# Altium PCB Inverter_540VDC_V2.PcbDoc (part 2 of 3)
Units mm, origin at the board's own origin, x right, y up, seen from the top; angles counter-clockwise.
Board outline 420 x 300 mm, 2 copper layers (Top Layer, Bottom Layer), stack 2.071 mm thick; 422 components, 183 nets, 1036 pads, 944 vias.
Unrouted connection lines stored in the file: 20.
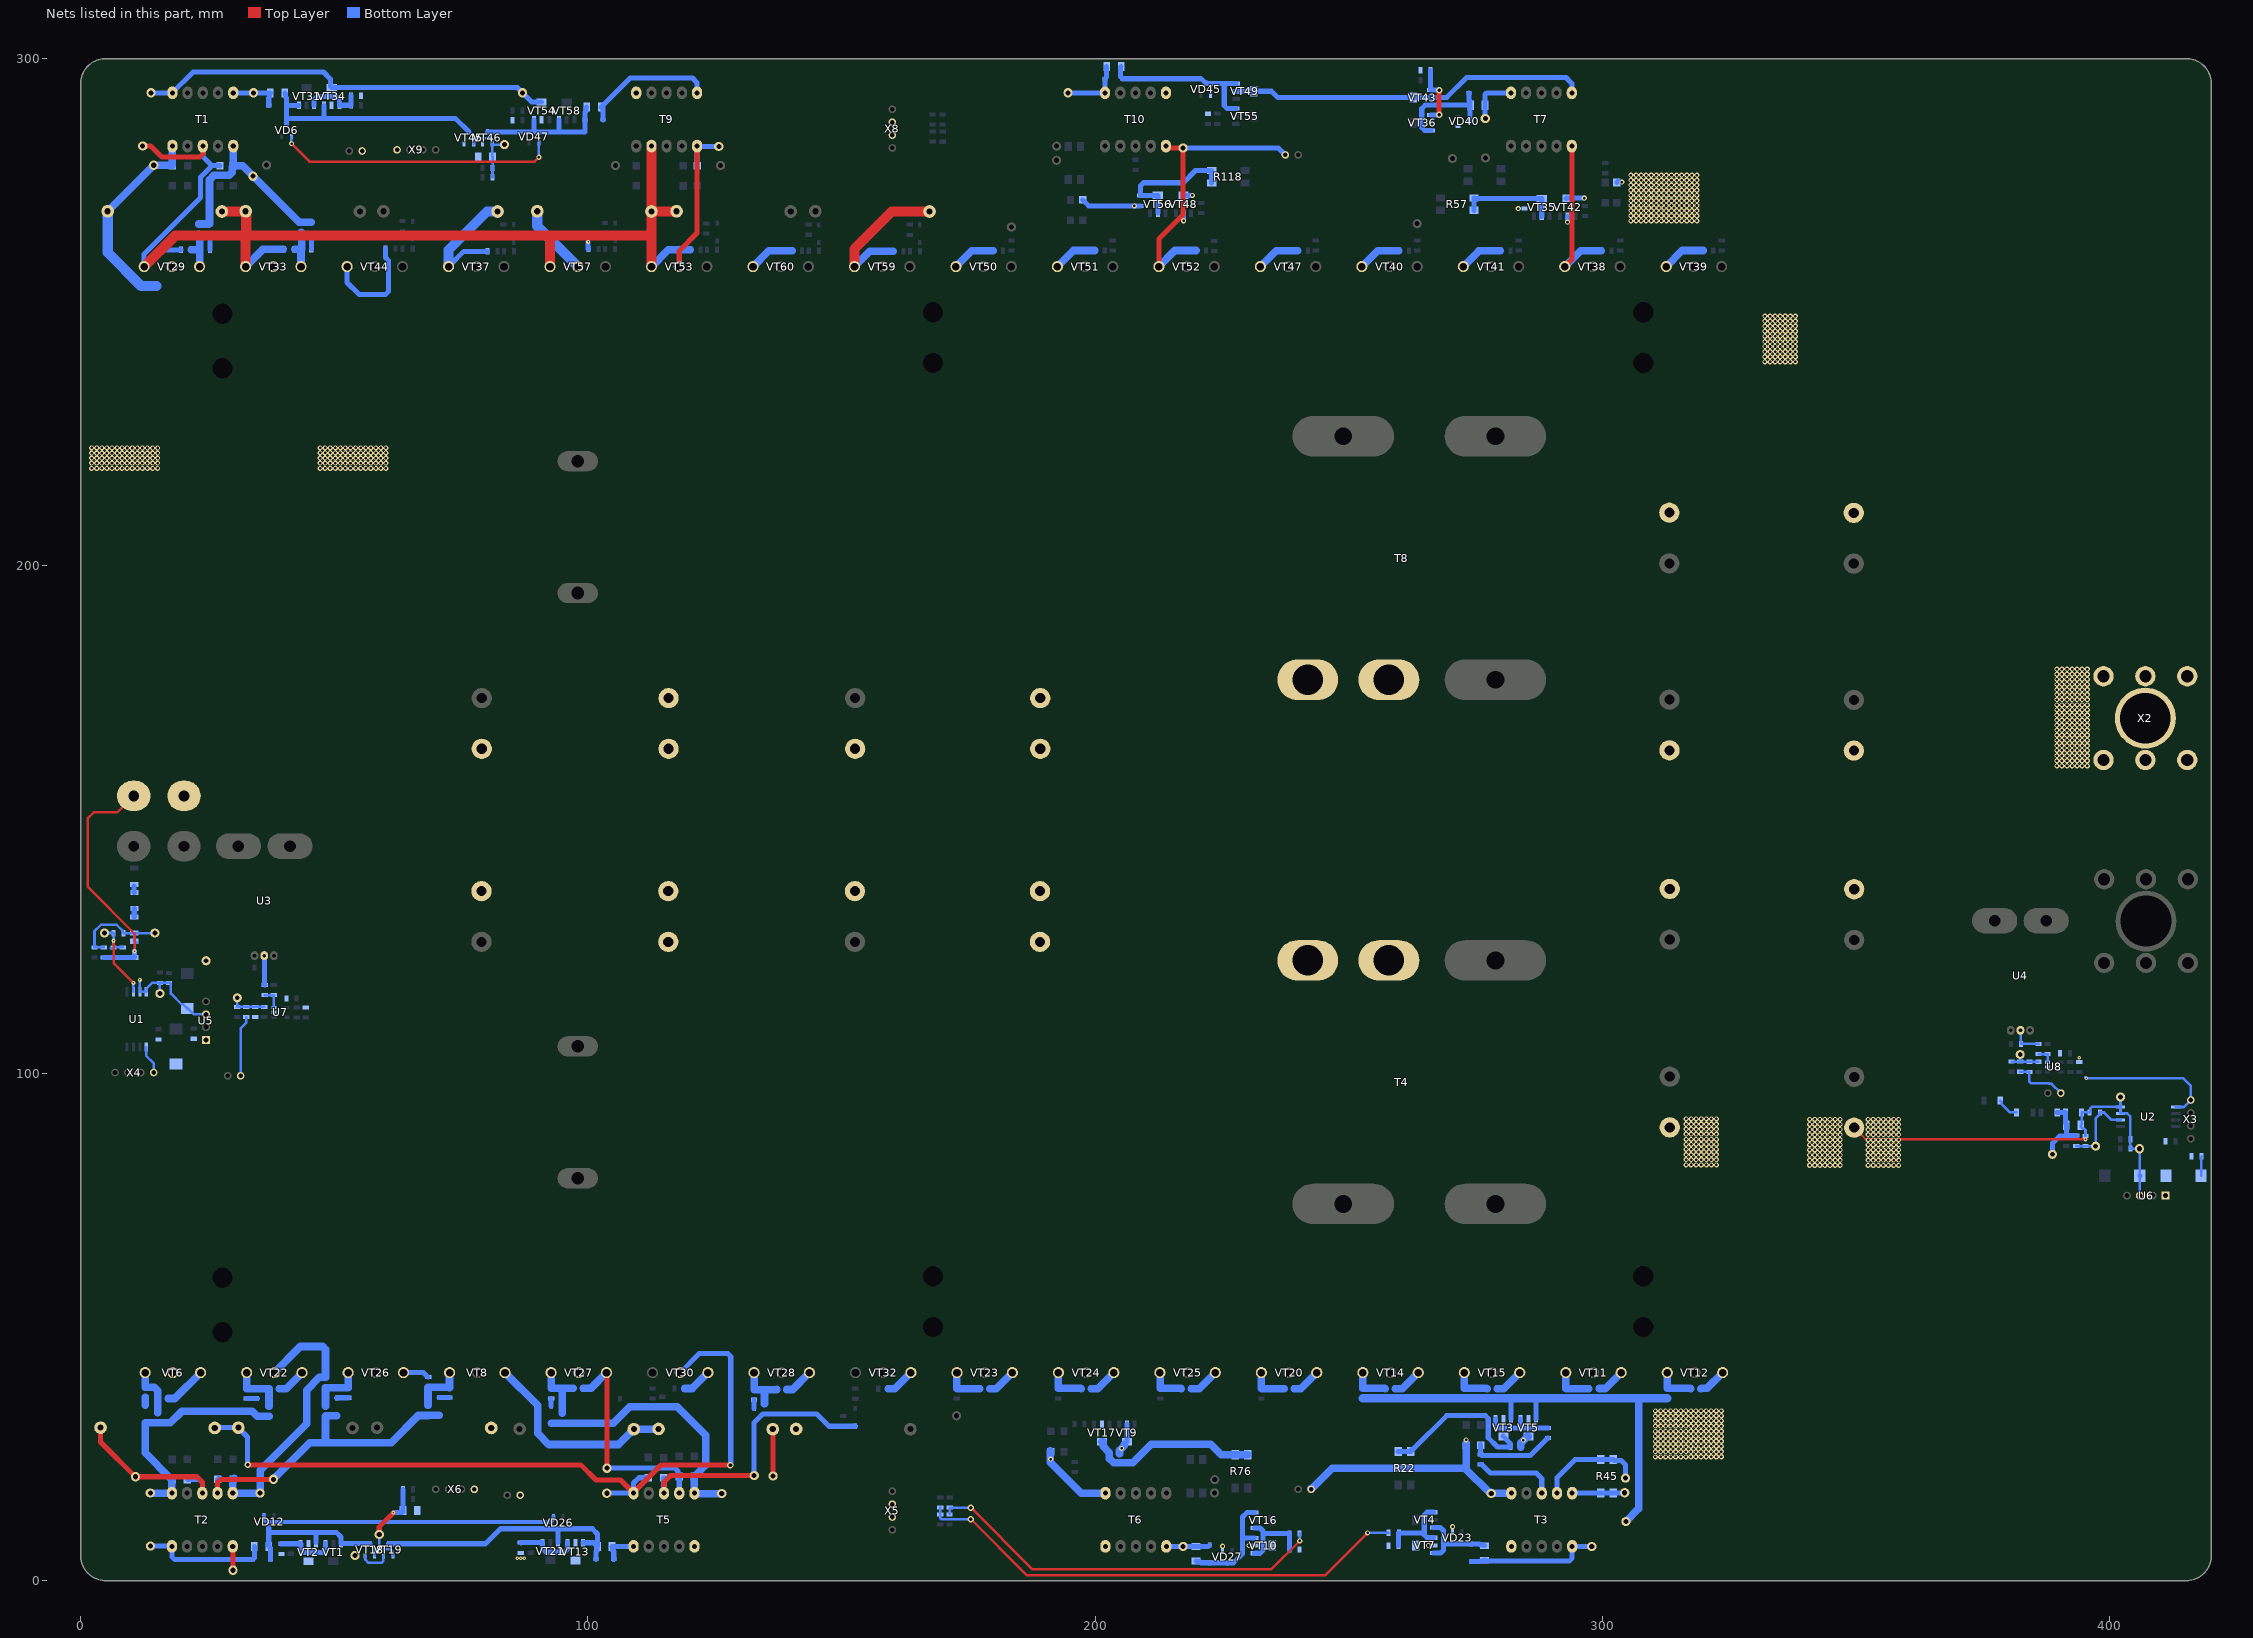
[diagram p2: the nets of this part, all layers, seen from the top]

## Via types
v1: diameter 1, hole 0.5, Top Layer to Bottom Layer, 866 vias
v2: diameter 1.8, hole 1, Top Layer to Bottom Layer, 44 vias
v3: diameter 1.27, hole 0.711, Top Layer to Bottom Layer, 18 vias
v4: diameter 0.8, hole 0.3, Top Layer to Bottom Layer, 10 vias
v5: diameter 0.7, hole 0.3, Top Layer to Bottom Layer, 5 vias
v6: diameter 0.8, hole 0.711, Top Layer to Bottom Layer, 1 vias

## Nets (pads, with @x,y where several pads share a name; then routed paths per layer and width w, separated by ;. In a path a pad name is that pad's centre, name@x,y a point inside that pad or via, vN(x,y) a via of type N, cw(c..) or ccw(c..) an arc to the next point about the centre after c; other vN are vias at no path point) (continued)
BAT_GND: C5.2 C6.2 C7.2 C8.2 C13.1 C21.2 C22.2 C23.2 C24.2 C28.1 C38.1 C40.1 C47.1 C50.2 C56.2 C63.1 C64.1 R46.1 R47.1 R48.1 R49.1 R53.2 R54.2 R55.2 R56.1 R93.1 R94.1 R95.1 R96.1 R99.2 R100.2 R101.2 R102.1 R132.1 R136.1 T3.5 T6.5 T7.5 T10.5 TP6.1 TP18.1 TP24.1 TP46.1 U2.3 U2.4 U6.3 VD22.2 VD24.2 VD42.2 VD44.2 VT5.2 VT9.2 VT11.3 VT12.3 VT14.3 VT15.3 VT20.3 VT23.3 VT24.3 VT25.3 VT38.3 VT39.3 VT40.3 VT41.3 VT42.2 VT47.3 VT48.2 VT50.3 VT51.3 VT52.3 X2.1 X7.2 X10.2 | length 366.7
  Top Layer w0.5: C23.2@349.581,89.284 351.864,87 353.338,87 356.338,87 v4(395.175,87)
  Top Layer w1: VT52.3@212.54,259 212.54,264.465 217.325,269.25 217.325,282.382 217.135,282.572 217.055,282.572 216.866,282.382 214.293,282.382 T10.5@213.925,282.75 ; VT38.3@292.54,259 293.925,260.385 T7.5@293.925,282.75
  Bottom Layer w0.5: v4(395.175,87) R132.1@395.175,87.65 395.175,88.8 394.875,89.1 394.625,89.1 394.225,89.5 C64.1@394.225,89.75 394.4,89.925 R136.1@394.4,92.25 394.425,92.275 C63.1@396,92.275 396.15,92.425 396.15,93.112 396.443,93.405 402.025,93.405 U2.4@402.075,93.355 ; TP18.1@402.075,95.875 TP18.1@402.075,95.322 U2.4@402.075,93.355 ; C56.2@403.875,85.332 C56.2@404.025,85.182 ; C50.2@405.875,79.8 405.875,85.05 v2(405.8,85.125) 405.799,85.126 404.073,85.126 C56.2@404.025,85.175 C56.2@404.025,85.182 ; U6.3@405.88,75.875 C50.2@405.88,79.795 ; U2.4@402.075,93.355 U2.3@402.075,92.085 403.39,92.085 404.025,91.45 C40.1@404.025,87.025 C56.2@404.025,85.182
  Bottom Layer w1: VD44.2@197.525,272.15 197.525,272.125 197.75,271.9 197.775,271.9 198.7,270.975 v1(207.725,270.975) C47.1@208.9,270.975 C47.1@208.879,270.954 ; VT9.2@206.25,27.35 VT9.2@206.25,30.85 ; TP46.1@217.033,282.592 217.425,282.2 TP46.1@217.447,282.222 ; v2(217.325,282.375) 236.085,282.375 X10.2@237.46,281 ; VT48.2@217.375,273.025 v1(219.125,273.025) ; v1(217.403,268.029) VT48.2@217.403,269.497 ; VT42.2@292.825,272.45 292.85,272.475 v1(296.375,272.475) ; v1(293.075,267.75) VT42.2@293.075,268.9 ; VD42.2@302.8,275.575 302.8,275.6 303.025,275.825 VD42.2@303.05,275.825 ; C50.2@405.875,79.8 C50.2@405.88,79.795
  Bottom Layer w1.5: VT50.3@172.54,259 175.665,262.125 R100.2@179.85,262.125 ; R54.2@179.225,37.8 179.251,37.826 180.486,37.826 VT23.3@183.66,41 ; VD24.2@191.125,25.603 191.125,23.375 197.25,17.25 T6.5@202,17.25 ; VT51.3@192.54,259 195.715,262.175 R101.2@199.875,262.175 ; R55.2@199.225,37.8 199.251,37.826 200.486,37.826 VT24.3@203.66,41 ; C38.1@204.775,25 204.775,25.65 v1(205.2,26.075) 205.75,26.625 VT9.2@205.75,26.85 ; VT52.3@212.54,259 215.715,262.175 R102.1@219.85,262.175 ; R56.1@218.95,37.8 220.46,37.8 VT25.3@223.66,41 ; VT47.3@232.54,259 235.69,262.15 R99.2@239.9,262.15 ; R53.2@239.2,37.85 240.51,37.85 VT20.3@243.66,41 ; X7.2@242.444,18.096 X7.2@242.54,18 246.69,22.15 269.725,22.15 ; VT40.3@252.54,259 255.64,262.1 R93.1@259.85,262.1 ; R46.1@259.125,37.8 260.46,37.8 VT14.3@263.66,41 ; 269.725,22.175 272.859,22.175 277.834,17.2 v2(278.05,17.2) ; VT41.3@272.54,259 275.64,262.1 R94.1@279.825,262.1 ; 273.1,22.35 VD22.2@273.1,26.825 ; TP24.1@277.9,17.431 TP24.1@278.05,17.281 ; TP24.1@278.1,17.25 T3.5@282,17.25 ; R47.1@279.2,37.8 279.214,37.814 280.474,37.814 VT15.3@283.66,41 ; C13.1@283.853,26.325 283.853,27.125 285.128,28.4 VT5.2@285.378,28.4 ; VT38.3@292.54,259 295.69,262.15 R95.1@299.75,262.15 ; R48.1@299.3,37.8 299.364,37.864 300.524,37.864 VT11.3@303.66,41 ; VT39.3@312.54,259 315.715,262.175 R96.1@319.8,262.175 ; R49.1@319.4,37.8 319.4,37.814 319.5,37.914 320.574,37.914 VT12.3@323.66,41
  other v1: 191.225,23.938 310.413,24.394 311.413,24.394 312.413,24.394 313.413,24.394 314.413,24.394 315.413,24.394 316.413,24.394 317.388,24.419 318.388,24.419 319.388,24.419 320.388,24.419 321.388,24.419 322.388,24.419 323.388,24.419 310.413,25.419 311.413,25.419 312.413,25.419 313.413,25.419 314.413,25.419 315.413,25.419 316.413,25.419 317.388,25.444 318.388,25.444 319.388,25.444 320.388,25.444 321.388,25.444 322.388,25.444 323.388,25.444 310.413,26.419 311.413,26.419 312.413,26.419 313.413,26.419 314.413,26.419 315.413,26.419 316.413,26.419 317.388,26.444 318.388,26.444 319.388,26.444 320.388,26.444 321.388,26.444 322.388,26.444 323.388,26.444 310.413,27.444 311.413,27.444 312.413,27.444 313.413,27.444 314.413,27.444 315.413,27.444 316.413,27.444 317.388,27.469 318.388,27.469 319.388,27.469 320.388,27.469 321.388,27.469 322.388,27.469 323.388,27.469 284.378,27.709 273.1,27.734 310.413,28.419 311.413,28.419 312.413,28.419 313.413,28.419 314.413,28.419 315.413,28.419 316.413,28.419 317.388,28.444 318.388,28.444 319.388,28.444 320.388,28.444 321.388,28.444 322.388,28.444 323.388,28.444 310.413,29.419 311.413,29.419 312.413,29.419 313.413,29.419 314.413,29.419 315.413,29.419 316.413,29.419 317.388,29.444 318.388,29.444 319.388,29.444 320.388,29.444 321.388,29.444 322.388,29.444 323.388,29.444 310.413,30.444 311.413,30.444 312.413,30.444 313.413,30.444 314.413,30.444 315.413,30.444 316.413,30.444 317.388,30.469 318.388,30.469 319.388,30.469 320.388,30.469 321.388,30.469 322.388,30.469 323.388,30.469 310.413,31.444 311.413,31.444 312.413,31.444 313.413,31.444 314.413,31.444 315.413,31.444 316.413,31.444 317.388,31.469 318.388,31.469 319.388,31.469 320.388,31.469 321.388,31.469 322.388,31.469 323.388,31.469 310.413,32.444 311.413,32.444 312.413,32.444 313.413,32.444 314.413,32.444 315.413,32.444 316.413,32.444 317.388,32.469 318.388,32.469 319.388,32.469 320.388,32.469 321.388,32.469 322.388,32.469 323.388,32.469 310.413,33.444 311.413,33.444 312.413,33.444 313.413,33.444 314.413,33.444 315.413,33.444 316.413,33.444 317.388,33.469 318.388,33.469 319.388,33.469 320.388,33.469 321.388,33.469 322.388,33.469 323.388,33.469 352.338,81.844 353.338,81.844 354.338,81.844 355.338,81.844 356.338,81.844 357.338,81.844 358.338,81.844 340.813,81.869 341.813,81.869 342.813,81.869 343.813,81.869 344.813,81.869 345.813,81.869 346.813,81.869 316.438,81.944 317.438,81.944 318.438,81.944 319.438,81.944 320.438,81.944 321.438,81.944 322.438,81.944 352.338,82.869 353.338,82.869 354.338,82.869 355.338,82.869 356.338,82.869 357.338,82.869 358.338,82.869 340.813,82.894 341.813,82.894 342.813,82.894 343.813,82.894 344.813,82.894 345.813,82.894 346.813,82.894 316.438,82.969 317.438,82.969 318.438,82.969 319.438,82.969 320.438,82.969 321.438,82.969 322.438,82.969 352.338,83.869 353.338,83.869 354.338,83.869 355.338,83.869 356.338,83.869 357.338,83.869 358.338,83.869 340.813,83.894 341.813,83.894 342.813,83.894 343.813,83.894 344.813,83.894 345.813,83.894 346.813,83.894 316.438,83.969 317.438,83.969 318.438,83.969 319.438,83.969 320.438,83.969 321.438,83.969 322.438,83.969 352.338,84.894 353.338,84.894 354.338,84.894 355.338,84.894 356.338,84.894 357.338,84.894 358.338,84.894 340.813,84.919 341.813,84.919 342.813,84.919 343.813,84.919 344.813,84.919 345.813,84.919 346.813,84.919 316.438,84.994 317.438,84.994 318.438,84.994 319.438,84.994 320.438,84.994 321.438,84.994 322.438,84.994 340.813,85.894 341.813,85.894 342.813,85.894 343.813,85.894 344.813,85.894 345.813,85.894 346.813,85.894 352.338,85.869 353.338,85.869 354.338,85.869 355.338,85.869 356.338,85.869 357.338,85.869 358.338,85.869 316.438,85.969 317.438,85.969 318.438,85.969 319.438,85.969 320.438,85.969 321.438,85.969 322.438,85.969 352.338,86.869 353.338,86.869 354.338,86.869 355.338,86.869 356.338,86.869 357.338,86.869 358.338,86.869 340.813,86.894 341.813,86.894 342.813,86.894 343.813,86.894 344.813,86.894 345.813,86.894 346.813,86.894 316.438,86.969 317.438,86.969 318.438,86.969 319.438,86.969 320.438,86.969 321.438,86.969 322.438,86.969 352.338,87.894 353.338,87.894 354.338,87.894 355.338,87.894 356.338,87.894 357.338,87.894 358.338,87.894 340.813,87.919 341.813,87.919 342.813,87.919 343.813,87.919 344.813,87.919 345.813,87.919 346.813,87.919 316.438,87.994 317.438,87.994 318.438,87.994 319.438,87.994 320.438,87.994 321.438,87.994 322.438,87.994 352.338,88.894 353.338,88.894 354.338,88.894 355.338,88.894 356.338,88.894 357.338,88.894 358.338,88.894 340.813,88.919 341.813,88.919 342.813,88.919 343.813,88.919 344.813,88.919 345.813,88.919 346.813,88.919 316.438,88.994 317.438,88.994 318.438,88.994 319.438,88.994 320.438,88.994 321.438,88.994 322.438,88.994 352.338,89.894 353.338,89.894 354.338,89.894 355.338,89.894 356.338,89.894 357.338,89.894 358.338,89.894 340.813,89.919 341.813,89.919 342.813,89.919 343.813,89.919 344.813,89.919 345.813,89.919 346.813,89.919 316.438,89.994 317.438,89.994 318.438,89.994 319.438,89.994 320.438,89.994 321.438,89.994 322.438,89.994 352.338,90.894 353.338,90.894 354.338,90.894 355.338,90.894 356.338,90.894 357.338,90.894 358.338,90.894 340.813,90.919 341.813,90.919 342.813,90.919 343.813,90.919 344.813,90.919 345.813,90.919 346.813,90.919 316.438,90.994 317.438,90.994 318.438,90.994 319.438,90.994 320.438,90.994 321.438,90.994 322.438,90.994 389.525,160.575 390.525,160.575 391.525,160.575 392.525,160.575 393.525,160.575 394.525,160.575 395.525,160.575 389.525,161.6 390.525,161.6 391.525,161.6 392.525,161.6 393.525,161.6 394.525,161.6 395.525,161.6 389.525,162.6 390.525,162.6 391.525,162.6 392.525,162.6 393.525,162.6 394.525,162.6 395.525,162.6 389.525,163.625 390.525,163.625 391.525,163.625 392.525,163.625 393.525,163.625 394.525,163.625 395.525,163.625 389.525,164.6 390.525,164.6 391.525,164.6 392.525,164.6 393.525,164.6 394.525,164.6 395.525,164.6 389.525,165.6 390.525,165.6 391.525,165.6 392.525,165.6 393.525,165.6 394.525,165.6 395.525,165.6 389.525,166.625 390.525,166.625 391.525,166.625 392.525,166.625 393.525,166.625 394.525,166.625 395.525,166.625 389.525,167.625 390.525,167.625 391.525,167.625 392.525,167.625 393.525,167.625 394.525,167.625 395.525,167.625 389.525,168.625 390.525,168.625 391.525,168.625 392.525,168.625 393.525,168.625 394.525,168.625 395.525,168.625 389.525,169.625 390.525,169.625 391.525,169.625 392.525,169.625 393.525,169.625 394.525,169.625 395.525,169.625 389.525,170.6 390.525,170.6 391.525,170.6 392.525,170.6 393.525,170.6 394.525,170.6 395.525,170.6 389.525,171.625 390.525,171.625 391.525,171.625 392.525,171.625 393.525,171.625 394.525,171.625 395.525,171.625 389.525,172.625 390.525,172.625 391.525,172.625 392.525,172.625 393.525,172.625 394.525,172.625 395.525,172.625 389.525,173.65 390.525,173.65 391.525,173.65 392.525,173.65 393.525,173.65 394.525,173.65 395.525,173.65 389.525,174.625 390.525,174.625 391.525,174.625 392.525,174.625 393.525,174.625 394.525,174.625 395.525,174.625 389.525,175.625 390.525,175.625 391.525,175.625 392.525,175.625 393.525,175.625 394.525,175.625 395.525,175.625 389.525,176.65 390.525,176.65 391.525,176.65 392.525,176.65 393.525,176.65 394.525,176.65 395.525,176.65 389.525,177.65 390.525,177.65 391.525,177.65 392.525,177.65 393.525,177.65 394.525,177.65 395.525,177.65 389.525,178.65 390.525,178.65 391.525,178.65 392.525,178.65 393.525,178.65 394.525,178.65 395.525,178.65 389.525,179.65 390.525,179.65 391.525,179.65 392.525,179.65 393.525,179.65 394.525,179.65 395.525,179.65 332,240.2 333,240.2 334,240.2 335,240.2 336,240.2 337,240.2 338,240.2 332,241.225 333,241.225 334,241.225 335,241.225 336,241.225 337,241.225 338,241.225 332,242.225 333,242.225 334,242.225 335,242.225 336,242.225 337,242.225 338,242.225 332,243.25 333,243.25 334,243.25 335,243.25 336,243.25 337,243.25 338,243.25 332,244.225 333,244.225 334,244.225 335,244.225 336,244.225 337,244.225 338,244.225 332,245.225 333,245.225 334,245.225 335,245.225 336,245.225 337,245.225 338,245.225 332,246.25 333,246.25 334,246.25 335,246.25 336,246.25 337,246.25 338,246.25 332,247.25 333,247.25 334,247.25 335,247.25 336,247.25 337,247.25 338,247.25 332,248.25 333,248.25 334,248.25 335,248.25 336,248.25 337,248.25 338,248.25 332,249.25 333,249.25 334,249.25 335,249.25 336,249.25 337,249.25 338,249.25 305.588,267.994 306.588,267.994 307.588,267.994 308.588,267.994 309.588,267.994 310.588,267.994 311.588,267.994 312.576,267.989 313.576,267.989 314.576,267.989 315.576,267.989 316.576,267.989 317.576,267.989 318.576,267.989 305.588,269.019 306.588,269.019 307.588,269.019 308.588,269.019 309.588,269.019 310.588,269.019 311.588,269.019 312.576,269.014 313.576,269.014 314.576,269.014 315.576,269.014 316.576,269.014 317.576,269.014 318.576,269.014 312.576,270.014 313.576,270.014 314.576,270.014 315.576,270.014 316.576,270.014 317.576,270.014 318.576,270.014 305.588,270.019 306.588,270.019 307.588,270.019 308.588,270.019 309.588,270.019 310.588,270.019 311.588,270.019 283.375,270.425 305.588,271.044 306.588,271.044 307.588,271.044 308.588,271.044 309.588,271.044 310.588,271.044 311.588,271.044 312.576,271.039 313.576,271.039 314.576,271.039 315.576,271.039 316.576,271.039 317.576,271.039 318.576,271.039 305.588,272.019 306.588,272.019 307.588,272.019 308.588,272.019 309.588,272.019 310.588,272.019 311.588,272.019 312.576,272.014 313.576,272.014 314.576,272.014 315.576,272.014 316.576,272.014 317.576,272.014 318.576,272.014 312.576,273.014 313.576,273.014 314.576,273.014 315.576,273.014 316.576,273.014 317.576,273.014 318.576,273.014 305.588,273.019 306.588,273.019 307.588,273.019 308.588,273.019 309.588,273.019 310.588,273.019 311.588,273.019 305.588,274.044 306.588,274.044 307.588,274.044 308.588,274.044 309.588,274.044 310.588,274.044 311.588,274.044 312.576,274.039 313.576,274.039 314.576,274.039 315.576,274.039 316.576,274.039 317.576,274.039 318.576,274.039 305.588,275.044 306.588,275.044 307.588,275.044 308.588,275.044 309.588,275.044 310.588,275.044 311.588,275.044 312.576,275.039 313.576,275.039 314.576,275.039 315.576,275.039 316.576,275.039 317.576,275.039 318.576,275.039 303.8,275.634 305.588,276.044 306.588,276.044 307.588,276.044 308.588,276.044 309.588,276.044 310.588,276.044 311.588,276.044 312.576,276.039 313.576,276.039 314.576,276.039 315.576,276.039 316.576,276.039 317.576,276.039 318.576,276.039 305.588,277.044 306.588,277.044 307.588,277.044 308.588,277.044 309.588,277.044 310.588,277.044 311.588,277.044 312.576,277.039 313.576,277.039 314.576,277.039 315.576,277.039 316.576,277.039 317.576,277.039 318.576,277.039
GND: C10.2 C16.2 C31.1 C32.2 C33.2 C43.1 C51.1 C52.2 C53.1 C54.2 C57.1 C58.1 C59.1 C60.1 C65.1 C66.1 R8.1 R9.1 R10.1 R11.1 R16.1 R18.2 R141.1 R142.1 R143.1 R144.1 R145.1 R146.1 T1.10 T2.10 T3.6 T5.10 T6.6 T7.6 T9.10 T10.6 TP22.1 TP23.1 TP44.1 TP45.1 U1.5 U2.5 U3.2 U4.2 U5.1 U6.1 U7.2 U8.2 VD6.1 VD12.1 VD23.1 VD26.1 VD27.1 VD40.1 VD45.1 VD47.1 VT2.2 VT7.2 VT10.2 VT13.2 VT18.2 VT19.2 VT34.2 VT43.2 VT45.2 VT46.2 VT49.2 VT54.2 X3.4 X4.1 X5.2 X5.3 X6.4 X8.2 X8.3 X9.4 X11.2 X12.2 X13.2 X14.2 | length 344.9
  Top Layer w0.5: T2.10@30,6.75 T2.10@30.025,6.725 ; v1(41.6,283.225) 45.125,279.7 89.5,279.7 v1(90.35,280.55)
  Top Layer w1: v2(30.025,2.05) T2.10@30.025,6.725
  Bottom Layer w0.5: U1.5@12.955,105.175 12.955,103.445 14.415,101.985 X4.1@14.415,100.15 ; X11.2@31.54,99.5 31.54,108.865 32.669,109.994 R141.1@32.669,111.075 ; VD6.1@41.55,284.625 41.573,284.602 41.573,283.252 v1(41.6,283.225) ; VT18.2@56.075,4.875 56.125,4.825 56.125,4.125 56.7,3.55 59.382,3.55 59.675,3.843 59.675,4.825 VT19.2@59.725,4.875 ; VD47.1@90.325,283.375 90.325,280.575 v1(90.35,280.55) ; R142.1@382.325,100.3 382.35,100.275 C66.1@384.125,100.275 384.125,98.35 384.45,98.025 387.939,98.025 388.039,97.925 388.49,97.925 X12.2@390.315,96.1 ; U4.2@382.35,108.471 382.45,108.371 C53.1@382.45,105.775 C58.1@385.925,105.775 ; v5@395.15,99.225 v5@395.35,99.225 ; v5(395.35,99.05) 414.35,99.05 415.95,97.45 X3.4@415.95,94.73 414.575,93.355 U2.5@412.975,93.355
  Bottom Layer w0.8: VD12.1@36.2,12.8 36.2,12.069 36.669,11.6 92.756,11.6 93.225,12.069 VD26.1@93.225,12.625
  Bottom Layer w1: v2(13.9,293.25) T1.10@18.1,293.25 22.2,297.35 47.875,297.35 49.289,295.936 49.289,294.486 VT34.2@49.5,294.275 86.075,294.275 88.925,291.425 VT54.2@90.875,291.425 ; U3.2@36.2,123.171 36.275,123.096 C51.1@36.275,120.85 36.275,117.45 C57.1@36.325,117.4 ; VT49.2@227.75,293.554 VT49.2@231.25,293.554 234.746,293.554 235.992,292.308 VT43.2@262.65,292.308 265.4,292.308 265.442,292.35 269.3,292.35 273.2,296.25 292.775,296.25 293.925,295.1 T7.6@293.925,293.25
  other v1: 225.1,6.775 230.3,6.925 265.65,6.925 270.425,10.625
  other v2: 54.125,4.975 87.1,293.25
  other v5: 86.05,4.4 86.725,4.4 87.425,4.4 393.925,103.1
GND_HV: C2.2 C4.2 C9.1 C11.2 C18.2 C20.2 C25.1 C26.2 C35.1 C36.1 C39.2 C41.2 C45.1 C48.2 C55.2 C61.1 C62.1 J2.1 R2.2 R20.2 R23.2 R31.2 R38.2 R66.2 R104.2 R109.2 R131.1 R133.1 T1.3 T2.3 T5.2 T9.2 TP3.1 TP5.1 TP17.1 TP26.1 TP36.1 TP48.1 U1.3 U1.4 U5.3 VD9.2 VD15.2 VD32.2 VD52.2 VT6.3 VT22.3 VT27.3 VT29.3 VT30.3 VT33.3 VT53.3 VT57.3 | length 407.8
  Top Layer w0.5: J2.1@10.488,154.668 7.27,151.45 2.611,151.45 1.4,150.239 1.4,136.775 10.675,127.5 v4(10.675,124.05)
  Top Layer w1: C36.1@3.95,30.15 3.95,27.325 v2(10.8,20.475) 22.95,20.475 24,19.425 T2.3@24,17.25 ; v2(12.25,282.775) 13.825,282.775 16.025,280.575 23.514,280.575 24.1,281.161 T1.3@24.1,282.75 ; VT27.3@103.6,40.94 VT27.3@103.66,41 103.75,40.91 v2(103.75,22.164) ; C9.1@136.425,29.85 136.5,29.775 v2(136.5,20.625)
  Top Layer w2: VT29.3@12.54,259 18.64,265.1 32.675,265.1 ; C25.1@27.85,269.85 32.5,269.85 C26.2@32.55,269.9 32.675,269.775 32.675,265.1 ; VT33.3@32.54,259 32.54,264.965 32.675,265.1 ; VT57.3@92.54,259 92.54,264.785 92.225,265.1 ; 111.954,265.1 92.225,265.1 ; T9.2@112.525,282.75 C45.1@112.525,269.85 ; VT53.3@112.54,259 112.54,269.835 C45.1@112.525,269.85 ; C48.2@117.475,269.9 117.425,269.85 C45.1@112.525,269.85 ; 32.675,265.1 92.225,265.1
  Bottom Layer w0.5: v4(11.7,118.4) 11.685,118.385 U1.3@11.685,116.075 U1.4@12.955,116.075 13.005,116.125 13.005,116.73 14.1,117.825 C35.1@15.65,117.825 ; v2(15.625,115.725) 15.625,117.8 C35.1@15.65,117.825 ; U5.3@24.725,111.62 22.33,111.62 21.2,112.75 C41.2@21.05,112.75 20.2,113.6 19.925,113.6 17.825,115.7 17.825,117.65 17.675,117.8 C55.2@17.45,117.8 17.425,117.825 C35.1@15.65,117.825 ; C9.1@136.425,29.85 C9.1@136.475,29.9
  Bottom Layer w1: C62.1@4.6,122.825 C61.1@6.5,122.825 R133.1@10.575,122.825 10.625,122.825 10.625,124 v4(10.675,124.05) ; R31.2@19.787,262.338 R31.2@19.8,262.35 ; R31.2@19.825,262.3 15.84,262.3 VT29.3@12.54,259 12.54,261.49 23.675,272.625 23.675,276.675 ; VD15.2@21.05,19.925 23.414,19.925 24,19.339 T2.3@24,17.25 ; 23.679,276.675 25.889,278.886 ; T1.3@24.1,282.75 24.1,280.675 25.889,278.886 ; VD9.2@27.475,278.875 27.464,278.886 25.889,278.886 ; C25.1@27.85,269.85 C25.1@27.9,269.8 ; v4(100.05,263.875) 100.05,262.5 R109.2@100.075,262.475 ; v2(103.75,22.164) 117.164,22.164 117.75,21.578 117.75,20.75 VD32.2@117.975,20.525 ; VD52.2@112.5,278.9 112.5,282.725 T9.2@112.525,282.75 ; T5.2@118,17.25 VD32.2@118,20.525
  Bottom Layer w1.5: R20.2@17.25,35.9 18.56,35.9 VT6.3@23.66,41 ; VT33.3@32.54,259 35.965,262.425 R38.2@39.975,262.425 ; R2.2@39.175,37.85 40.51,37.85 VT22.3@43.66,41 ; R23.2@99.075,37.95 100.61,37.95 VT27.3@103.66,41 ; VT53.3@112.54,259 115.865,262.325 R104.2@120.2,262.325 ; R66.2@119.075,37.875 120.535,37.875 VT30.3@123.66,41
  other v1: 2.2,219.225 3.2,219.225 4.2,219.225 5.2,219.225 6.2,219.225 7.2,219.225 8.2,219.225 9.188,219.22 10.188,219.22 11.188,219.22 12.188,219.22 13.188,219.22 14.188,219.22 15.188,219.22 47.212,219.23 48.212,219.23 49.212,219.23 50.212,219.23 51.212,219.23 52.212,219.23 53.212,219.23 54.2,219.225 55.2,219.225 56.2,219.225 57.2,219.225 58.2,219.225 59.2,219.225 60.2,219.225 2.2,220.25 3.2,220.25 4.2,220.25 5.2,220.25 6.2,220.25 7.2,220.25 8.2,220.25 9.188,220.245 10.188,220.245 11.188,220.245 12.188,220.245 13.188,220.245 14.188,220.245 15.188,220.245 47.212,220.255 48.212,220.255 49.212,220.255 50.212,220.255 51.212,220.255 52.212,220.255 53.212,220.255 54.2,220.25 55.2,220.25 56.2,220.25 57.2,220.25 58.2,220.25 59.2,220.25 60.2,220.25 2.2,221.25 3.2,221.25 4.2,221.25 5.2,221.25 6.2,221.25 7.2,221.25 8.2,221.25 9.188,221.245 10.188,221.245 11.188,221.245 12.188,221.245 13.188,221.245 14.188,221.245 15.188,221.245 54.2,221.25 55.2,221.25 56.2,221.25 57.2,221.25 58.2,221.25 59.2,221.25 60.2,221.25 47.212,221.255 48.212,221.255 49.212,221.255 50.212,221.255 51.212,221.255 52.212,221.255 53.212,221.255 2.2,222.25 3.2,222.25 4.2,222.25 5.2,222.25 6.2,222.25 7.2,222.25 8.2,222.25 9.188,222.245 10.188,222.245 11.188,222.245 12.188,222.245 13.188,222.245 14.188,222.245 15.188,222.245 47.212,222.28 48.212,222.28 49.212,222.28 50.212,222.28 51.212,222.28 52.212,222.28 53.212,222.28 54.2,222.275 55.2,222.275 56.2,222.275 57.2,222.275 58.2,222.275 59.2,222.275 60.2,222.275 2.2,223.25 3.2,223.25 4.2,223.25 5.2,223.25 6.2,223.25 7.2,223.25 8.2,223.25 9.188,223.245 10.188,223.245 11.188,223.245 12.188,223.245 13.188,223.245 14.188,223.245 15.188,223.245 47.212,223.255 48.212,223.255 49.212,223.255 50.212,223.255 51.212,223.255 52.212,223.255 53.212,223.255 54.2,223.25 55.2,223.25 56.2,223.25 57.2,223.25 58.2,223.25 59.2,223.25 60.2,223.25
NetC1_2: C1.2 C2.1
NetC3_2: C3.2 C4.1
NetC9_2: C9.2 C14.1 R5.2 R41.2 T2.1 T4.4 TP21.1 VD19.2 VT6.2 VT8.3 VT22.2 VT26.3 | length 101.1
  Top Layer w1: TP21.1@35.375,17.275 v2(35.4,17.25)
  Bottom Layer w0.5: C9.2@113.875,29.85 C9.2@113.925,29.9
  Bottom Layer w1: VT26.3@63.66,41 67.6,41 R41.2@68.5,40.1
  Bottom Layer w1.5: VD19.2@30.3,20.2 30.275,20.2 30,19.925 T2.1@30,17.25 v2(35.4,17.25) 35.4,21.75 44.55,30.9 44.55,37.55 47.05,40.05 R5.2@48.275,40.05 48.275,45.564 47.689,46.15 43.35,46.15 VT22.2@38.2,41 ; VT8.3@83.66,41 90.125,34.535 90.125,29.025 92.325,26.825 106.025,26.825 C14.1@109.05,29.85 ; C14.1@109.1,29.85 C9.2@113.875,29.85
NetC12_1: C12.1 VD12.3 VD16.1 VT1.3 VT2.3 VT18.3 | length 30.1
  Bottom Layer w0.5: C12.1@37.1,6.725 C12.1@37.4,6.425 ; VD12.3@37.1,10.35 VD12.3@37.15,10.4
  Bottom Layer w1: C12.1@37.1,6.725 37.1,9.297 ; VD12.3@37.1,10.35 37.1,9.297 ; VD16.1@37.4,4.125 C12.1@37.4,6.425 ; VT2.3@46.397,7.55 46.397,9.447 46.475,9.525 ; VT18.3@57.025,7.275 57,7.3 VT1.3@51.322,7.3 51.322,8.6 50.397,9.525 46.397,9.525 37.328,9.525 37.1,9.297
NetC12_2: C12.2 T2.6 TP2.1 VD16.2 | length 25.2
  Bottom Layer w0.5: T2.6@17.95,6.8 T2.6@18,6.75
  Bottom Layer w1: v2(13.775,6.8) T2.6@17.95,6.8 ; T2.6@18,6.75 18,4.711 18.586,4.125 VD16.2@33.9,4.125 34.25,4.475 C12.2@34.25,6.725
NetC13_2: C13.2 R22.2 VT3.2 | length 32
  Bottom Layer w1: R22.2@259.725,25.425 R22.2@262.175,25.425 262.175,25.6 262.4,25.825 262.575,25.825 269.275,32.525 276.864,32.525 277.45,31.939 277.45,28.153 279.278,26.325 281.853,26.325 281.853,26.975 VT3.2@280.928,27.9 ; VT3.2@280.343,28.486 VT3.2@280.428,28.4
NetC15_1: C15.1 T3.10 TP4.1 VD20.2 | length 26.5
  Bottom Layer w1: VD20.2@274.15,3.75 275.739,3.75 275.889,3.9 276.575,3.9 C15.1@276.725,4.05 276.875,3.9 277.647,3.9 277.711,3.836 293.414,3.836 294,4.422 T3.10@294,6.75 294.05,6.7 v2(297.85,6.7)
NetC15_2: C15.2 VD20.1 VD23.3 VT4.3 VT7.3 | length 16.5
  Bottom Layer w1: VT7.3@266.7,5.425 268.064,5.425 268.65,6.011 268.65,7.25 ; VT4.3@266.7,10.45 268.064,10.45 268.65,9.864 268.65,7.25 ; C15.2@276.725,6.9 276.575,7.05 275.939,7.05 275.739,7.25 VD20.1@274.15,7.25 270.9,7.25 268.65,7.25
NetC17_2: C17.2 C18.1
NetC19_2: C19.2 C20.1
NetC25_2: C25.2 C29.1 R85.2 R91.2 T1.1 T8.4 TP43.1 VD37.2 VT29.2 VT33.2 VT37.3 VT44.3 | length 87
  Bottom Layer w1: VT44.3@52.54,259 52.54,255.86 54.875,253.525 60.139,253.525 60.725,254.111 60.725,260.15 60.1,260.775 R91.2@60.1,262.55 ; VT37.3@72.54,259 75.54,262 R85.2@80.175,262
  Bottom Layer w1.5: C25.2@5.35,269.9 v2(14.425,278.975) 18.1,278.975 T1.1@18.1,282.75
  Bottom Layer w2: C25.2@5.35,269.9 5.35,261.775 11.975,255.15 14.975,255.15 ; VT37.3@72.54,259 72.54,262.265 80.125,269.85 C29.1@82.2,269.85
NetC27_1: C27.1 VD6.3 VD10.1 VT31.3 VT34.3 VT45.3 | length 48.4
  Bottom Layer w1: C27.1@40.275,293.225 40.425,293.075 40.425,292.414 40.6,292.239 VD10.1@40.6,290.75 40.6,288.225 ; VD6.3@40.6,287.025 40.6,288.225 ; VD10.1@40.625,290.775 VT31.3@43.025,290.775 ; VT34.3@48,290.775 48,288.425 47.8,288.225 ; VT45.3@76.55,285.55 73.875,288.225 47.8,288.225 ; 40.6,288.225 47.8,288.225
NetC27_2: C27.2 T1.6 TP35.1 VD10.2 | length 9.9
  Bottom Layer w1: T1.6@30.1,293.25 v2(34.078,293.25) 37.4,293.25 C27.2@37.425,293.225 37.275,293.075 37.275,292.414 37.1,292.239 VD10.2@37.1,290.75
NetC28_2: C28.2 R57.2 VT35.2 | length 19.4
  Bottom Layer w1: R57.2@274.625,270.075 R57.2@274.625,272.525 274.75,272.4 VT35.2@288,272.4 VT35.2@288,268.9
NetC30_1: C30.1 T7.10 TP10.1 VD38.2 | length 10
  Bottom Layer w1: v2(276.875,288.175) 276.825,288.225 C30.1@276.825,290.8 276.825,292.9 VD38.2@277.175,293.25 T7.10@281.925,293.25
NetC30_2: C30.2 VD38.1 VD40.3 VT36.3 VT43.3 | length 21.1
  Bottom Layer w1: VT36.3@266.175,285.858 264.936,285.858 264.35,286.444 264.35,290.125 265.033,290.808 VT43.3@266.15,290.808 273.825,290.808 273.9,290.733 VD40.3@273.9,287.6 ; VD38.1@273.675,293.25 273.675,291.786 273.825,291.636 C30.2@273.825,290.95
NetC31_2: C31.2 R51.2 R52.2 TP19.1 VT18.1 VT19.1 | length 20.6
  Top Layer w1: v2(58.875,9.125) 58.875,10.6 v4(61.675,13.4)
  Bottom Layer w0.5: VT18.1@57.975,4.875 57.975,5.907 58.268,6.2 58.9,6.2 ; v2(58.875,9.125) 58.9,9.1 58.9,6.2 ; VT19.1@61.625,4.875 61.575,4.925 61.575,5.65 61.025,6.2 58.9,6.2 ; R52.2@63.525,18.025 R52.2@63.55,18
  Bottom Layer w1: v4(61.675,13.4) 63.4,13.4 63.55,13.55 R51.2@63.55,16.1 R52.2@63.55,18
NetC32_1: C32.1 C33.1 | length 3.9
  Bottom Layer w0.5: C33.1@417.95,79.8 417.95,83.525 C32.1@418.05,83.625
NetC34_1: C34.1 VD27.3 VD29.1 VT10.3 VT16.3 | length 22.4
  Bottom Layer w1: C34.1@219.825,3.875 219.975,3.725 220.611,3.725 220.811,3.525 VD29.1@222.55,3.525 227.2,3.525 229,5.325 229,8.425 ; VT10.3@231.375,8.425 229,8.425 ; VT16.3@231.375,13.4 229.875,13.4 229,12.525 229,8.425
NetC34_2: C34.2 T6.10 TP29.1 VD29.2 | length 8.7
  Bottom Layer w1: T6.10@214,6.75 219.8,6.75 C34.2@219.825,6.725 222.25,6.725 VD29.2@222.55,7.025
  other v2: 217.323,6.75
NetC36_2: C36.2 C42.1 R25.2 R78.2 T4.5 T5.5 TP32.1 VD35.2 VT27.2 VT28.3 VT30.2 VT32.3 | length 167.8
  Top Layer w1: v3(32.925,22.825) 98.575,22.825 101.575,19.825 106.425,19.825 108.5,17.75 T5.5@109,17.25 ; T5.5@109,17.365 114.41,22.775 v3(128.1,22.775)
  Bottom Layer w1: C36.2@26.5,30.15 C42.1@31.1,30.15 32.925,28.325 v3(32.925,22.825) ; v2(103.725,17.225) 103.75,17.25 T5.5@109,17.25 109,19.225 110.05,20.275 VD35.2@111.925,20.275 ; VT30.2@118.2,41 121.95,44.75 127.564,44.75 128.15,44.164 128.15,22.825 v3(128.1,22.775)
  Bottom Layer w1.5: R25.2@139.225,37.675 140.335,37.675 VT28.3@143.66,41 ; R78.2@159.225,37.8 160.46,37.8 VT32.3@163.66,41
NetC37_1: C37.1 T5.6 VD31.2 | length 6.9
  Bottom Layer w1: VD31.2@105.1,4.175 105.1,5.714 104.9,5.914 104.9,6.55 C37.1@104.75,6.7 104.8,6.75 T5.6@109,6.75
NetC37_2: C37.2 VD26.3 VD31.1 VT13.3 VT19.3 VT21.3 | length 53.7
  Bottom Layer w1: VT19.3@60.675,7.275 79.825,7.275 82.775,10.225 94.1,10.225 VD26.3@94.175,10.225 100.875,10.225 101.9,9.2 C37.2@101.9,6.95 ; VT21.3@94.1,7.5 VD26.3@94.1,10.089 ; VT13.3@99.025,7.475 101.125,7.475 101.5,7.1 101.75,7.1 C37.2@101.9,6.95 ; VD31.1@101.6,4.175 101.6,5.714 101.75,5.864 101.75,6.55 C37.2@101.9,6.7 C37.2@101.9,6.95
NetC38_2: C38.2 R76.2 VT17.2 | length 34
  Bottom Layer w1.5: VT17.2@201.3,27.35 201.55,27.35 201.55,26.47 202.775,25.245 202.775,24.079 203.654,23.2 207.425,23.2 211.075,26.85 222.8,26.85 224.825,24.825 R76.2@227.575,24.825 R76.2@230.025,24.825
NetC43_2: C43.2 R97.2 R98.2 TP42.1 VT45.1 VT46.1 | length 14.6
  Bottom Layer w0.5: VT45.1@77.5,283.15 77.5,284.032 77.793,284.325 80.8,284.325 81.12,284.005 81.12,283.205 VT46.1@81.15,283.175 VT46.1@81.15,283.075 ; R98.2@81.196,278.821 R98.2@81.196,278.425 81.196,276.603 R97.2@81.2,276.6 ; R98.2@81.2,278.821 C43.2@81.2,280.6 81.15,280.65 VT46.1@81.15,283.075 ; v2(83.55,283.025) 81.2,283.025 VT46.1@81.15,283.075
NetC44_1: C44.1 VD45.3 VD49.1 VT49.3 VT55.3 | length 32.3
  Bottom Layer w1: C44.1@205.1,298.425 204.957,298.282 204.957,296.468 VD49.1@205.4,296.025 220.879,296.025 221.85,295.054 225.425,295.054 ; VT55.3@227.725,290.129 226.011,290.129 225.425,290.715 225.425,295.054 ; VT49.3@227.75,295.054 225.425,295.054
NetC44_2: C44.2 T10.10 TP27.1 VD49.2 | length 12.6
  Bottom Layer w1: v2(194.625,293.25) T10.10@201.925,293.25 VD49.2@201.925,296.025 ; VD49.2@201.9,296.025 202.25,296.375 C44.2@202.25,298.425
NetC45_2: C45.2 C49.1 R120.2 R122.2 T8.5 T9.5 TP54.1 VD55.2 VT53.2 VT57.2 VT59.3 VT60.3 | length 86.7
  Top Layer w1: VT53.2@118,259 118,262.075 121.525,265.6 T9.5@121.525,282.75
  Top Layer w2: VT59.3@152.54,259 152.54,262.49 159.9,269.85 C49.1@167.325,269.85
  Bottom Layer w1: VD55.2@121.525,278.9 T9.5@121.525,282.75 121.575,282.7 v2(125.8,282.7)
  Bottom Layer w1.5: VT60.3@132.54,259 135.64,262.1 R122.2@140.225,262.1 ; VT59.3@152.575,259.025 155.575,262.025 R120.2@160.175,262.025
  Bottom Layer w2: C45.2@90.025,269.9 90.025,266.975 VT57.2@98,259
NetC46_1: C46.1 T9.6 VD51.2 | length 26.2
  Bottom Layer w1: C46.1@102.6,290.425 105.875,293.7 108.325,296.15 120.6,296.15 121.525,295.225 T9.6@121.525,293.25 ; VD51.2@102.95,287.925 C46.1@102.95,290.425
NetC46_2: C46.2 VD47.3 VD51.1 VT46.3 VT54.3 VT58.3 | length 28.5
  Bottom Layer w1: VT46.3@80.2,285.55 94.1,285.55 ; VD47.3@89.375,286.136 VT54.3@89.375,287.925 ; VT58.3@94.325,287.925 94.325,285.775 94.1,285.55 ; C46.2@99.75,290.425 99.6,290.275 99.6,289.589 99.45,289.439 VD51.1@99.45,287.925 99.45,285.575 99.425,285.55 94.1,285.55
NetC47_2: C47.2 R118.2 VT56.2 | length 26.6
  Bottom Layer w1: VT56.2@212.325,269.525 VT56.2@212.325,273.025 212.275,272.975 C47.2@208.9,272.975 208.9,274.939 209.486,275.525 217.375,275.525 219.775,277.925 R118.2@222.95,277.925 R118.2@222.95,275.475
NetC57_2: C57.2 R73.2 U7.3 | length 4.2
  Bottom Layer w0.5: C57.2@36.325,115.4 R73.2@38.075,115.4 38.075,112.994 U7.3@38.094,112.975
NetC58_2: C58.2 R75.2 U8.3 | length 3.3
  Bottom Layer w0.5: C58.2@385.925,103.775 R75.2@387.675,103.775 ; U8.3@387.7,102.2 R75.2@387.7,103.75
NetC61_2: C61.2 R129.2 R131.2 TP11.1 U1.2 | length 18.7
  Top Layer w0.5: v4(6.5,126.125) 6.5,121.725 v4(10.4,117.825)
  Bottom Layer w0.5: TP11.1@4.725,127.65 4.726,127.649 6.477,127.649 R129.2@6.5,127.625 v4(6.5,126.125) C61.2@6.5,124.825 ; C61.2@5.95,124.675 6.35,124.675 C61.2@6.5,124.825 ; R131.2@8.3,124.825 C61.2@6.5,124.825 ; v4(10.4,117.825) 10.408,117.817 10.408,116.083 U1.2@10.415,116.075
NetC62_2: C62.2 R125.1 R127.1 R129.1 R133.2 TP13.1 | length 20.6
  Bottom Layer w0.5: C62.2@4.6,124.825 3.175,124.825 2.775,124.825 R127.1@2.75,124.8 2.75,128.025 4,129.275 7.1,129.275 8.35,128.025 8.35,127.775 R129.1@8.5,127.625 R125.1@10.575,127.625 ; R133.2@11.125,125.775 10.825,125.775 R133.2@10.575,126.025 R125.1@10.575,127.625 ; TP13.1@14.65,127.65 14.625,127.625 R125.1@10.575,127.625
NetC63_2: C63.2 R130.2 R132.2 TP12.1 U2.2 | length 15.6
  Bottom Layer w0.5: R130.2@393.35,85.7 393.4,85.65 R132.2@395.175,85.65 395.199,85.626 397.174,85.626 TP12.1@397.175,85.625 397.175,91.111 397.85,91.786 397.85,91.9 397.887,91.936 398,91.936 C63.2@398,92.275 398.007,92.268 398.857,92.268 400.31,90.815 U2.2@402.075,90.815
NetC64_2: C64.2 R126.1 R128.1 R130.1 R136.2 TP14.1 | length 13.7
  Bottom Layer w1: TP14.1@388.65,84.025 388.65,86.225 390.1,87.675 R128.1@391.4,87.675 ; R126.1@389.6,92.25 R136.2@391.2,92.25 391.2,90.175 391.4,89.975 391.4,87.7 R130.1@393.35,87.7
NetC65_2: C65.2 R134.2 R135.1 R141.2 TP15.1 | length 7.1
  Bottom Layer w0.5: TP15.1@30.9,114.875 30.897,114.872 30.897,113.103 R135.1@30.894,113.1 30.919,113.075 R141.2@32.669,113.075 R134.2@36.219,113.075
NetC66_2: C66.2 R137.2 R138.1 R142.2 TP16.1 | length 6.7
  Bottom Layer w0.5: R138.1@380.6,102.275 C66.2@384.125,102.275 R137.2@385.9,102.275 ; TP16.1@382.3,103.7 382.313,103.687 382.313,102.313 R142.2@382.325,102.3
NetR1_1: R1.1 R19.1 T2.5 TP1.1 VD1.1 VD13.2 VD14.1 | length 46.1
  Bottom Layer w1.5: v2(13.75,17.275) 13.775,17.25 T2.5@18,17.25 18,19.8 18.063,19.862 VD13.2@18.075,19.875 18.075,19.9 17.85,20.125 17.825,20.125 12.75,25.2 VD14.1@12.75,31.1 R19.1@15.25,31.1 17.7,31.1 20,33.4 33.825,33.4 VD1.1@34.85,32.375 R1.1@37.15,32.375
NetR1_2: R1.2 R2.1 R3.2 VT22.1 | length 11.1
  Bottom Layer w1.5: VT22.1@32.74,41 32.725,40.985 R3.2@32.725,37.875 32.75,37.85 R2.1@37.175,37.85 37.15,37.825 R1.2@37.15,34.375
NetR3_1: R3.1 VD1.2 | length 2.1
  Bottom Layer w1: R3.1@32.725,35.875 VD1.2@34.85,35.875
NetR4_1: R4.1 R28.1 T2.2 TP20.1 VD2.1 VD17.2 VD18.1 | length 61.8
  Top Layer w1: T2.2@27,17.25 27,19.389 27.586,19.975 v2(38.025,19.975)
  Bottom Layer w1: T2.2@27,17.25 27,19.9 VD17.2@27.05,19.95 VD17.2@27.275,20.175
  Bottom Layer w1.5: TP20.1@38.012,19.987 45.2,27.175 48.275,27.175 ; VD2.1@50.5,32.475 48.325,32.475 R4.1@48.275,32.425 48.275,27.175 ; R28.1@68.475,32.55 66.6,32.55 61.225,27.175 48.275,27.175 ; R28.1@68.475,32.575 VD18.1@70.7,32.575
NetR4_2: R4.2 R5.1 R6.2 VT26.1 | length 11.1
  Bottom Layer w1.5: R4.2@48.275,34.425 R5.1@48.275,38.05 R6.2@52.775,38.05 52.775,40.965 VT26.1@52.74,41
NetR6_1: R6.1 VD2.2 | length 2.3
  Bottom Layer w1: VD2.2@50.5,35.975 50.575,36.05 R6.1@52.775,36.05
NetR7_1: R7.1 R60.1 T5.1 TP25.1 VD3.1 VD28.2 VD30.1 | length 51.9
  Bottom Layer w1.5: VD3.1@92.8,31 104.975,31 108.225,34.25 R60.1@114.675,34.25 117.625,34.25 123.25,28.625 123.25,22.8 121.225,20.775 121.2,20.775 120.975,20.55 VD28.2@120.975,20.525 120.975,17.275 T5.1@121,17.25 121.1,17.15 v2(126.375,17.15)
NetR7_2: R7.2 R23.1 R24.2 VT27.1 | length 12.4
  Bottom Layer w1.5: VT27.1@92.74,41 92.75,40.99 R24.2@92.75,37.925 92.775,37.95 94.925,37.95 ; R7.2@94.925,33 94.925,37.95 ; R23.1@97.075,37.95 94.925,37.95
NetR8_2: R8.2 R17.2 VT1.1 VT2.1 | length 11.5
  Bottom Layer w1: R8.2@39.5,7.275 41.322,7.275 43.347,7.275 VT2.1@43.372,7.3 43.427,7.245 43.427,6.161 44.013,5.575 47.711,5.575 48.297,6.161 VT1.1@48.297,7.3
NetR9_2: R9.2 R44.2 VT4.1 VT7.1 | length 15
  Bottom Layer w1: R9.2@259.8,6.9 259.8,9.4 R44.2@259.825,9.425 ; 260.4,9.425 264.836,9.425 ; VT7.1@266.7,8.45 265.422,8.45 264.836,9.036 264.836,9.425 ; VT4.1@266.7,13.475 265.422,13.475 264.836,12.889 264.836,9.425
NetR10_2: R10.2 R65.2 VT10.1 VT16.1 | length 16.2
  Bottom Layer w1: VT10.1@231.375,5.35 231.35,5.375 VT10.1@231.375,5.4 232.464,5.4 233.05,5.986 233.05,9.15 ; VT16.1@231.375,10.375 232.464,10.375 233.05,9.789 233.05,9.15 ; R10.2@238.275,6.125 R65.2@238.275,9.3 233.2,9.3 233.05,9.15
NetR11_2: R11.2 R74.2 VT13.1 VT21.1 | length 12.3
  Bottom Layer w1: R11.2@86.775,7.475 86.8,7.5 R74.2@88.75,7.5 VT21.1@91.075,7.5 91.075,6.225 91.7,5.6 95.425,5.6 96,6.175 VT13.1@96,7.475
NetR12_1: R12.1 R14.1 R44.1 | length 98.7
  Top Layer w0.5: v3(175.475,12.1) 186.55,1.025 245.275,1.025 v1(253.675,9.425)
  Bottom Layer w0.5: R12.1@169.425,14.425 169.425,12.355 169.718,12.062 175.437,12.062 v3(175.475,12.1) ; v1(253.675,9.425) R44.1@257.825,9.425
NetR13_1: R13.1 R15.1 R65.1 | length 79.2
  Top Layer w0.5: v3(175.475,14.375) 187.625,2.225 234.675,2.225 v1(240.3,7.85)
  Bottom Layer w0.5: R15.1@171.275,13.075 171.3,13.1 R13.1@171.3,14.4 175.45,14.4 v3(175.475,14.375) ; R65.1@240.275,9.3 240.3,9.275 v1(240.3,7.85)
NetR16_2: R16.2 R36.2 VT31.1 VT34.1 | length 11.6
  Bottom Layer w1: VT31.1@46.05,290.775 46.05,291.939 46.636,292.525 50.439,292.525 51.025,291.939 VT34.1@51.025,290.775 51.05,290.8 R36.2@52.975,290.8 ; R36.2@53.275,290.8 R16.2@53.275,292.675
NetR18_1: R18.1 R88.2 VT36.1 VT43.1 | length 12
  Top Layer w1: v3(267.775,288.893) v3(267.775,293.75)
  Bottom Layer w1: R18.1@266.1,297.675 R88.2@266.1,295.725 266.1,293.883 VT43.1@266.15,293.833 267.619,293.833 267.702,293.75 v3(267.775,293.75) ; VT36.1@266.175,288.883 267.765,288.883 v3(267.775,288.893)
NetR19_2: R19.2 R20.1 R21.2 VT6.1 | length 10
  Bottom Layer w1.5: VT6.1@12.74,41 12.75,40.99 R21.2@12.75,38.1 14.55,38.1 15.25,37.4 R20.1@15.25,35.9 R19.2@15.25,33.1
NetR21_1: R21.1 VD14.2 | length 1.5
  Bottom Layer w1.5: VD14.2@12.75,34.6 R21.1@12.75,36.1
NetR24_1: R24.1 VD3.2 | length 1.5
  Bottom Layer w1: VD3.2@92.75,34.45 R24.1@92.75,35.925
NetR25_1: R25.1 R26.2 R27.2 VT28.1 | length 10.7
  Bottom Layer w1.5: VT28.1@132.74,41 132.75,40.99 R27.2@132.75,37.65 135.124,37.65 ; R26.2@134.8,34.875 134.8,37.326 135.124,37.65 ; R25.1@137.225,37.675 137.2,37.65 135.124,37.65
NetR26_1: R26.1 R77.1 T5.3 TP33.1 VD4.1 VD33.2 VD34.1 | length 55.6
  Top Layer w1: T5.3@115,17.25 115,19.4 116.3,20.7 v2(132.775,20.7)
  Bottom Layer w1: VD33.2@114.95,20.25 114.95,17.3 T5.3@115,17.25 ; v2(132.775,20.7) VD4.1@132.775,30.475 132.775,31.15 134.5,32.875 R26.1@134.8,32.875 145.05,32.875 147.5,30.425 R77.1@150.35,30.425 ; R77.1@150.35,30.425 VD34.1@152.725,30.425
NetR27_1: R27.1 VD4.2 | length 1.7
  Bottom Layer w1: R27.1@132.75,35.65 132.775,35.625 VD4.2@132.775,33.975
NetR28_2: R28.2 R39.2 R41.1 VT8.1 | length 10.7
  Bottom Layer w1.5: R28.2@68.475,34.55 68.475,38.075 R41.1@68.5,38.1 72.7,38.1 R39.2@72.725,38.075 72.725,40.985 VT8.1@72.74,41
NetR29_1: R29.1 R46.2 VT14.1 | length 7.5
  Bottom Layer w1.5: VT14.1@252.74,41 252.75,40.99 R29.1@252.75,37.925 257.025,37.925 257.125,37.825 R46.2@257.125,37.8
NetR29_2: R29.2 R33.2 R34.2 R35.2 TP7.1 VT3.3 VT5.3 | length 93.6
  Bottom Layer w1: VT3.3@281.928,31.9 281.928,35.825 ; 286.8,35.925 286.95,35.775 ; VT5.3@286.878,31.9 286.878,35.904 ; 291.829,35.925 291.9,35.854
  Bottom Layer w1.5: 267.8,35.909 267.816,35.925 ; v2(304.575,11.65) 307.15,14.225 307.15,35.925
  Bottom Layer w1.7: R29.2@252.75,35.925 267.816,35.925 R33.2@272.75,35.925 286.8,35.925 291.829,35.925 R34.2@292.75,35.925 307.15,35.925 R35.2@312.75,35.925
NetR30_1: R30.1 R37.1 T1.5 TP34.1 VD5.1 VD7.2 VD8.1 | length 41.4
  Bottom Layer w1.5: R30.1@23.275,267.4 VD5.1@25.225,267.4 ; VD5.1@25.425,267.475 25.425,276.096 26.304,276.975 29.289,276.975 29.875,277.561 29.875,278.675 VD7.2@30.1,278.9 ; T1.5@30.225,282.625 T1.5@30.1,282.75 VD7.2@30.1,278.9 ; R37.1@43.15,267.725 VD8.1@45.475,267.725 ; R37.1@43.475,267.725 43.075,267.725 31.948,278.852 30.325,278.852 30.277,278.9 VD7.2@30.1,278.9
  other v2: 33.987,276.813
NetR30_2: R30.2 R31.1 R32.2 VT29.1 | length 8.2
  Bottom Layer w1.5: R31.1@21.8,262.35 21.838,262.313 23.437,262.313 R32.2@23.475,262.275 ; R30.2@23.275,265.4 23.375,265.3 23.4,265.3 23.475,265.225 R32.2@23.475,262.275 ; VT29.1@23.46,259 23.475,259.015 R32.2@23.475,262.275
NetR32_1: R32.1 VD5.2 | length 1.6
  Bottom Layer w1: R32.1@25.475,262.275 VD5.2@25.475,263.925
NetR33_1: R33.1 R47.2 VT15.1 | length 7.6
  Bottom Layer w1.5: VT15.1@272.74,41 272.75,40.99 R33.1@272.75,37.925 277.1,37.925 277.2,37.825 R47.2@277.2,37.8
NetR34_1: R34.1 R48.2 VT11.1 | length 7.7
  Bottom Layer w1.5: VT11.1@292.74,41 292.75,40.99 R34.1@292.75,37.925 292.85,37.825 293.309,37.825 293.334,37.8 R48.2@297.3,37.8
NetR35_1: R35.1 R49.2 VT12.1 | length 7.8
  Bottom Layer w1.5: VT12.1@312.74,41 312.75,40.99 R35.1@312.75,37.925 317.3,37.925 317.4,37.825 R49.2@317.4,37.8
NetR37_2: R37.2 R38.1 R50.2 VT33.1 | length 8.2
  Bottom Layer w1.5: R38.1@42.2,262.45 R50.2@43.6,262.45 ; VT33.1@43.46,259 R50.2@43.46,262.45 ; R50.2@43.475,262.425 43.606,262.567 R37.2@43.475,265.725
NetR39_1: R39.1 VD18.2 | length 2
  Bottom Layer w1: VD18.2@70.7,36.075 R39.1@72.725,36.075
NetR40_1: R40.1 R59.2 | length 1.4
  Bottom Layer w1: R40.1@10.5,136.95 10.5,135.65 R59.2@10.6,135.65
NetR42_1: R42.1 R43.2 VD21.2 | length 16.8
  Bottom Layer w1: VD21.2@275.95,26.825 R43.2@275.95,24.9 276.05,24.8 276.075,24.8 276.225,24.65 285.754,24.65 289.104,28 289.104,28.025 289.129,28.025 R42.1@289.229,28.125
NetR42_2: R42.2 VT3.1 VT5.1 | length 13.7
  Bottom Layer w1: VT3.1@278.903,31.9 278.903,30.661 279.489,30.075 283.753,30.075 ; VT5.1@283.853,31.9 283.853,30.175 283.753,30.075 ; R42.2@289.229,30.125 289.179,30.075 283.753,30.075
NetR43_1: R43.1 T3.3 | length 16.1
  Bottom Layer w1: R43.1@275.95,22.9 275.975,22.875 276.2,22.875 277.9,21.175 286.95,21.175 288,20.125 T3.3@288,17.25
NetR45_1: R45.1 T3.1 TP9.1 | length 10.4
  Bottom Layer w1: T3.1@294,17.25 302.05,17.25 R45.1@302.1,17.3 304.325,17.3 v2(304.35,17.325)
NetR45_2: R45.2 T3.2 TP8.1 | length 21.1
  Bottom Layer w1: T3.2@291,17.25 291,20.275 294.575,23.85 R45.2@299.65,23.85 R45.2@302.1,23.85 302.286,23.664 303.661,23.664 304.5,22.825 v2(304.5,20.2)
NetR50_1: R50.1 VD8.2 | length 1.6
  Bottom Layer w1: R50.1@45.554,262.504 VD8.2@45.554,264.146
NetR53_1: R53.1 R67.2 VT20.1 | length 7.6
  Bottom Layer w1.5: VT20.1@232.74,41 232.75,40.99 R67.2@232.75,37.9 232.8,37.85 R53.1@237.2,37.85
NetR54_1: R54.1 R68.2 VT23.1 | length 7.6
  Bottom Layer w1.5: VT23.1@172.74,41 172.725,40.985 R68.2@172.725,37.925 172.85,37.8 R54.1@177.225,37.8
NetR55_1: R55.1 R69.2 VT24.1 | length 7.7
  Bottom Layer w1.5: VT24.1@192.74,41 192.7,40.96 R69.2@192.7,37.925 197.125,37.925 197.225,37.825 R55.1@197.225,37.8
NetR56_2: R56.2 R70.2 VT25.1 | length 7.3
  Bottom Layer w1.5: VT25.1@212.74,41 212.775,40.965 R70.2@212.775,37.925 216.85,37.925 216.95,37.825 R56.2@216.95,37.8
NetR58_1: R58.1 R61.2 | length 4.4
  Bottom Layer w0.5: R58.1@378.375,94.6 378.625,94.35 378.625,93.975 380.326,92.274 R61.2@381.612,92.274
NetR59_1: R59.1 R125.2 | length 1.7
  Bottom Layer w1: R125.2@10.575,130.825 10.587,130.825 10.587,132.45 R59.1@10.6,132.45